# KiCad board SofleKeyboard_ref.kicad_pcb (continued)
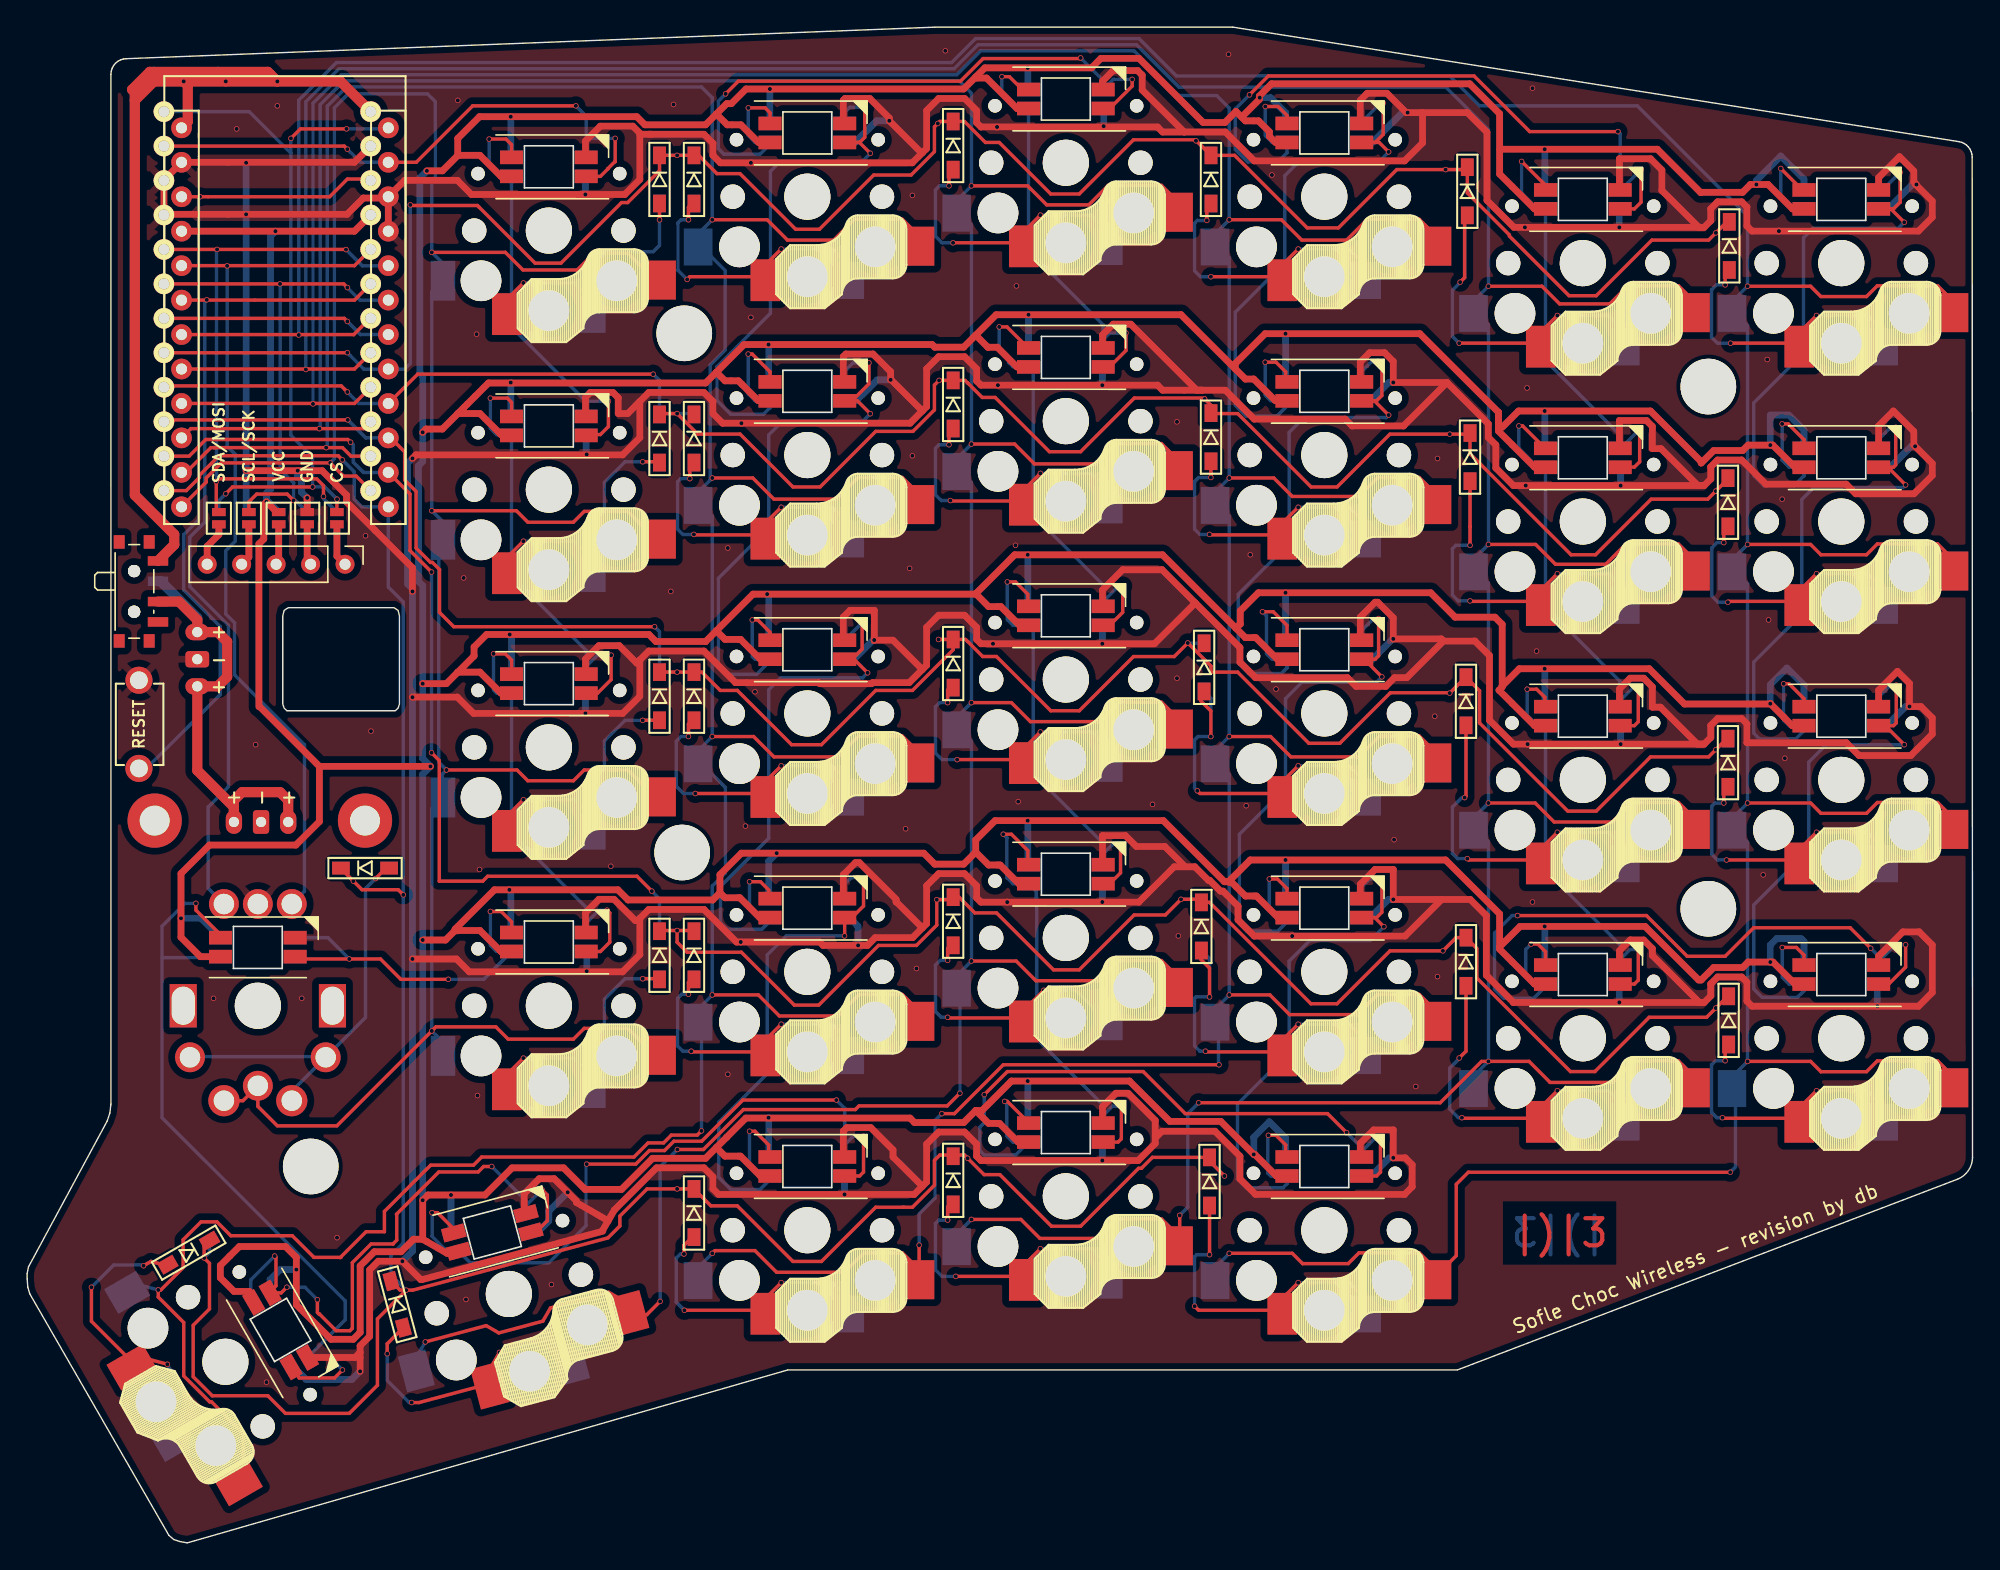
[diagram p0: board, top side]
## Routing (per net, layer and track width the routed paths; a pad name or vN(x,y) marks a point on that pad's centre or on a via; arc(x,y) is an arc through that point) (continued)
Net-(D25-Pad2): length 31
  Top w0.25: D25.2 26.45,49.75 v1(25.68,48.97)
  Bottom w0.25: 26.6,49.75 26.45,49.75 v1(25.68,48.97) 24.94,48.24 24.94,38.74 SW25.6 ; SW25.6 21.95,35.85 12.05,35.85 SW25.6 ; SW25.6 19.5,33.3 19.5,33.09
Net-(D26-Pad2): length 23.7
  Top w0.25: 10.14,20.48 9.13,20.75 v1(8.58,20.43) ; v1(10.33,13.17) 9,13.53 8.08,12.99 4.74,16.34 v1(4.74,18.85)
  Bottom w0.25: 10.14,20.48 9.13,20.75 v1(8.58,20.43) 8.52,20.49 6.38,20.49 v1(4.74,18.85) ; 10.88,8.14 11.89,8.73 12.21,9.92 v1(10.33,13.17)
Net-(D27-Pad2): length 24.1
  Top w0.25: v1(28.34,10.35) 28.34,10.34 28.88,10.34 34.4,11.82 34.12,12.85 v1(34.81,14.05) ; D27.2 26.54,14.68 v1(26.54,13.95)
  Bottom w0.25: 39.81,13.27 39.5,14.4 38.44,15.02 v1(34.81,14.05) ; v1(28.34,10.35) 28.16,10.35 26.54,11.97 v1(26.54,13.95) 26.54,14.68 D27.2
Net-(D28-Pad2): length 22.9
  Top w0.25: v1(48.44,17.15) 48.44,17.15 54.6,17.15 54.6,18.22 v1(55.57,19.19) ; 49.15,22.67 48.41,21.94 v1(48.41,21.3)
  Bottom w0.25: v1(55.57,19.19) 59.33,19.19 60.2,18.32 60.2,17.15 ; v1(48.44,17.15) 47.84,17.75 47.84,21 48.14,21.3 v1(48.41,21.3) 48.41,21.94 49.15,22.67
Net-(D29-Pad2): length 23.1
  Top w0.25: v1(67.84,23.8) 67.84,24.77 68.25,25.17 ; v1(74.67,21.69) 73.7,20.72 73.7,19.65 68.44,19.65 v1(68.44,19.65)
  Bottom w0.25: 79.3,19.65 79.3,20.82 78.43,21.69 v1(74.67,21.69) ; 68.25,25.17 67.84,24.77 v1(67.84,23.8) 67.19,23.8 66.94,23.55 66.94,20.13 67.42,19.65 v1(68.44,19.65)
Net-(D30-Pad2): length 27.4
  Top w0.25: v1(86.04,17.45) 86.34,17.15 92.7,17.15 ; v1(87.14,21.25) D30.2 ; v1(93.67,19.19) 92.8,18.31 92.8,17.15
  Bottom w0.25: 98.3,17.15 98.3,18.32 97.43,19.19 v1(93.67,19.19) ; D30.2 v1(87.14,21.25) 86.19,21.25 86.04,21.1 v1(86.04,17.45)
Net-(J3-Pad1): length 6.6
  Top w0.5: JP4.1 14.13,74.34 13.27,73.48 J3.1
  Bottom w0.5: J3.1 13.27,73.48 14.13,74.34 JP9.1
Net-(J3-Pad2): length 6.3
  Top w0.5: J3.2 16.34,72.68 JP3.1
  Bottom w0.5: JP3.1 16.34,72.68 J3.2
Net-(J3-Pad3): length 6.1
  Top w0.25: J3.3 18.54,72.34
  Top w0.5: 18.54,72.34 JP2.1
  Bottom w0.5: JP2.1 18.54,72.34 J3.3
Net-(J3-Pad4): length 6.1
  Top w0.25: J3.4 20.64,72.4
  Top w0.5: 20.64,72.4 JP1.1
  Bottom w0.5: J3.4 20.64,72.4 JP1.1
Net-(J3-Pad5): length 6.4
  Top w0.5: JP0.1 22.83,72.75 J3.5
  Bottom w0.5: JP0.1 22.83,72.75 J3.5
Net-(JST_BATT1-Pad2): length 35.8
  Top w0.75: JST_BATT1.2 19.24,54.75 18.64,55.35 15.84,55.35 15.24,54.75 JST_BATT1.2 15.24,54.25 12.54,56.95 JST_BATT2.2 14.04,63.15 14.74,63.85 14.74,66.45 14.04,67.15 JST_BATT2.2 12.54,68.05 11.19,69.4 SW_BATT+1.2
  Bottom w0.75: SW_BATT+2.2 9.84,70.9 12.54,68.2 JST_BATT2.2
Net-(SW1-Pad2): length 33.1
  Top w0.25: SW1.2 35.7,103.09 35.29,103.5 v1(34.05,103.5) ; v1(42.84,84.16) 42.84,82.3 42.25,81.71 41.15,81.71
  Bottom w0.25: SW7.4 41.2,84.14 35.7,89.64 SW1.2 34.84,100.75 34.05,101.54 v1(34.05,103.5) ; 41.15,83.11 41.15,83.96 41.36,84.16 v1(42.84,84.16)
Net-(SW2-Pad2): length 51.2
  Top w0.25: SW2.2 54.75,105.44 54.39,105.8 v1(53.15,105.8) ; v1(77.64,109.48) 77.59,109.43 70.45,109.43 68.78,107.76 52.41,107.76 v1(51.48,106.83) ; v1(81.44,107.9) 81.44,107.4 79.79,105.75 79.25,105.75
  Bottom w0.25: v1(51.48,106.83) 50.94,106.3 50.94,102.79 51.35,102.38 54.02,102.38 54.75,103.12 SW2.2 53.65,103.25 53.15,103.75 v1(53.15,105.8) ; v1(77.64,109.48) 79.3,107.82 SW3.4 80.05,107.9 v1(81.44,107.9)
Net-(SW2-Pad4): length 47.6
  Top w0.25: 54.75,85.6 54.75,86.34 53.44,87.65 v1(53.14,87.65) ; v1(61.73,105.84) 61.73,103.63 61.35,103.25 SW2.4 61.34,103.25 v1(62.14,102.45)
  Bottom w0.25: v1(61.73,105.84) 60.63,105.84 60.25,105.46 SW2.4 ; v1(53.14,87.65) 53.14,84.71 53.65,84.2 54.75,84.2 54.75,83.69 54.27,83.21 51.86,83.21 50.84,84.22 50.84,86.71 54.78,90.65 54.78,101.11 55.41,101.75 61.44,101.75 v1(62.14,102.45)
Net-(SW3-Pad2): length 31.9
  Top w0.25: 79.25,86.71 79.79,86.71 80.98,87.91 v1(80.98,89.2) ; 73.75,107.15 73.34,107.15 72.39,108.1 v1(71.84,108.1)
  Bottom w0.25: v1(71.84,108.1) 71.84,106.75 72.84,105.75 73.75,105.75 ; 79.25,88.11 79.25,88.66 79.79,89.2 v1(80.98,89.2) ; SW3.2 73.8,95.3 79.3,89.8 79.3,88.1
Net-(SW4-Pad2): length 56.2
  Top w0.25: SW4.2 92.85,105.24 92.19,105.9 v1(91.25,105.9) ; v1(117.24,104.05) 110.74,104.05 106.64,108.15 91.47,108.15 v1(90.08,106.76) ; 117.35,98.35 118.45,98.35 118.94,98.84 v1(118.94,101.25)
  Bottom w0.25: v1(91.25,105.9) 91.25,103.75 91.75,103.25 SW4.2 92.85,102.48 92.18,101.81 89.96,101.81 89.04,102.73 89.04,105.72 v1(90.08,106.76) ; v1(117.24,104.05) 117.4,103.89 SW5.4 ; v1(118.94,101.25) 117.44,99.75
Net-(SW10-Pad2): length 47.1
  Top w0.25: 98.25,103.25 99.35,103.25 99.94,103.84 v1(99.94,106.15) ; v1(91.24,87.05) 92.04,87.05 92.75,86.34 92.75,85.61 ; SW4.4 99.64,103.25 v1(100.34,102.55)
  Bottom w0.25: 98.25,104.65 99.75,106.15 v1(99.94,106.15) ; v1(100.34,102.55) 99.54,101.75 93.64,101.75 92.69,100.8 92.69,94.38 89.04,90.74 89.04,83.87 89.83,83.08 92.12,83.08 92.85,83.82 92.85,84.2 ; v1(91.24,87.05) 91.24,84.62 91.65,84.21 92.75,84.21
Net-(SW10-Pad4): length 48.3
  Top w0.25: v1(91.04,68.65) 91.84,68.65 92.85,67.64 SW16.2 ; v1(99.54,87.1) 99.84,86.8 99.84,84.59 99.45,84.2 98.35,84.2 99.29,84.2 v1(100.34,83.15)
  Bottom w0.25: v1(91.04,68.65) 91.34,68.35 91.34,65.56 91.75,65.15 SW16.2 92.85,64.51 92.43,64.09 90.02,64.09 89.26,64.86 89.26,69.94 93,73.68 93,81.87 94.09,82.96 100.16,82.96 v1(100.34,83.15) ; v1(99.54,87.1) 99.09,87.1 98.35,86.36 98.35,85.6
Net-(SW11-Pad2): length 33
  Top w0.25: v1(118.74,63.1) 118.74,60.54 118.45,60.25 117.35,60.25 ; v1(109.94,82.35) 110.22,82.35 111.85,80.71
  Bottom w0.25: 111.85,79.31 111.31,79.31 109.94,80.69 v1(109.94,82.35) ; SW11.2 111.9,69.01 117.4,63.51 SW17.4 ; v1(118.74,63.1) 118.39,63.1 117.35,62.06 117.35,61.65
Net-(SW11-Pad4): length 33.4
  Top w0.25: 117.35,79.31 118.45,79.31 118.84,79.7 v1(118.84,82.1) ; v1(110.14,101.85) 111.85,100.14 111.85,99.75
  Bottom w0.25: 111.85,98.35 111.31,98.35 110.14,99.52 v1(110.14,101.85) ; SW5.2 111.9,87.17 117.4,81.67 SW11.4 ; v1(118.84,82.1) 117.45,80.71 117.35,80.71
Net-(SW12-Pad2): length 47.5
  Top w0.25: v1(129.34,82.5) 129.79,82.5 130.95,81.34 130.95,80.71 ; v1(138.34,97.36) 137.35,98.35 SW6.4 137.55,98.35 138.04,98.84 v1(138.04,101.05)
  Bottom w0.25: 130.95,79.31 129.85,79.31 129.34,79.82 v1(129.34,82.5) ; SW6.4 136.74,99.75 v1(138.04,101.05) ; SW12.2 130.95,78.67 130.22,77.94 127.99,77.94 127.24,78.69 127.24,84.04 130.91,87.72 130.91,96.22 131.61,96.92 137.9,96.92 v1(138.34,97.36)
Net-(SW12-Pad4): length 47.1
  Top w0.25: 136.45,79.31 137.55,79.31 137.71,79.47 v1(137.71,82.25) ; SW18.2 130.95,62.24 129.85,63.34 v1(129.45,63.34) ; v1(138.44,78) 137.14,79.3 SW12.4
  Bottom w0.25: v1(138.44,78) 138.25,77.81 131.68,77.81 130.79,76.92 130.79,68.48 127.24,64.93 127.24,59.7 127.68,59.27 130.34,59.27 130.95,59.88 SW18.2 129.85,60.25 129.45,60.65 v1(129.45,63.34) ; v1(137.71,82.25) 137.34,82.25 136.45,81.36 136.45,80.71
Net-(SW13-Pad2): length 33.8
  Top w0.25: v1(42.74,46.65) 42.94,46.45 42.94,44.29 42.25,43.6 41.15,43.6 ; SW13.2 35.7,65.09 35.24,65.55 v1(34.37,65.55)
  Bottom w0.25: v1(42.74,46.65) 42.14,46.65 41.15,45.66 41.15,45 ; SW19.4 41.2,46.85 35.7,52.35 SW13.2 34.6,62.65 34.37,62.88 v1(34.37,65.55)
Net-(SW13-Pad4): length 33.4
  Top w0.25: v1(34.14,84.4) 35.39,84.4 35.7,84.09 35.7,83.11 ; v1(43.04,65.45) 43.04,63.65 42.04,62.65 41.15,62.65
  Bottom w0.25: SW13.4 41.21,64.06 41.21,65.78 35.7,71.3 SW7.2 ; v1(34.14,84.4) 34.14,82.17 34.6,81.71 35.7,81.71 ; 41.15,64.05 41.15,64.56 42.04,65.45 v1(43.04,65.45)
Net-(SW14-Pad2): length 46.5
  Top w0.25: v1(53.44,68.05) 53.84,68.05 54.75,67.14 SW14.2 ; v1(62.04,87) 62.04,85.45 60.79,84.2 60.25,84.2 61.19,84.2 v1(62.14,83.25)
  Bottom w0.25: v1(62.14,83.25) 61.59,82.7 55.67,82.7 54.65,81.68 54.65,74.83 50.94,71.12 50.94,64.82 51.73,64.03 53.76,64.03 54.75,65.02 SW14.2 53.65,65.15 53.44,65.36 v1(53.44,68.05) ; v1(62.04,87) 60.86,87 60.25,86.38 60.25,85.6
Net-(SW14-Pad4): length 44.5
  Top w0.25: v1(61.94,64.15) 60.94,65.15 SW14.4 60.79,65.15 61.54,65.9 v1(61.54,68.05) ; v1(53.24,48.75) 54.04,48.75 54.65,48.14 54.65,47.5
  Bottom w0.25: SW14.4 61.54,67.84 v1(61.54,68.05) ; 54.65,46.1 54.11,46.1 53.24,46.97 v1(53.24,48.75) ; SW20.2 54.75,45.84 54.14,45.23 51.6,45.23 51.09,45.74 51.09,48.39 54.65,51.95 54.65,62.89 55.54,63.78 61.57,63.78 v1(61.94,64.15)
Net-(SW15-Pad2): length 33.3
  Top w0.25: 73.75,69.05 73.75,69.94 72.84,70.85 v1(72.24,70.85) ; v1(80.58,51.5) 80.58,49.39 79.79,48.6 79.25,48.6
  Bottom w0.25: v1(72.24,70.85) 72.24,68.06 72.65,67.65 73.75,67.65 ; SW15.2 74.14,67.3 74.14,56.73 79.3,51.57 SW21.4 ; 79.25,50 79.25,50.76 79.99,51.5 v1(80.58,51.5)
Net-(SW15-Pad4): length 33.2
  Top w0.25: 73.75,88.11 72.22,89.65 v1(71.64,89.65) ; 79.25,67.65 79.79,67.65 80.74,68.6 v1(80.74,70.55)
  Bottom w0.25: SW15.4 79.3,70.62 74.14,75.78 74.14,86.35 73.8,86.7 ; v1(71.64,89.65) 71.64,88.15 72.34,87.45 72.34,87.02 72.65,86.71 73.75,86.71 ; v1(80.74,70.55) 80.44,70.55 79.25,69.36 79.25,69.05
Net-(SW16-Pad4): length 44.7
  Top w0.25: SW22.2 92.85,48.24 92.14,48.95 v1(91.55,48.95) ; v1(99.84,63.85) 98.54,65.15 SW16.4 ; 98.25,65.15 99.35,65.15 99.6,65.4 v1(99.6,68.15)
  Bottom w0.25: 98.25,66.55 98.25,67.16 99.24,68.15 v1(99.6,68.15) ; v1(91.55,48.95) 91.55,46.87 92.31,46.1 SW22.2 92.85,45.78 92.18,45.11 89.89,45.11 89.34,45.66 89.34,52.24 92.74,55.64 92.74,62.24 93.95,63.45 99.44,63.45 v1(99.84,63.85)
Net-(SW17-Pad2): length 31.6
  Top w0.25: v1(110.55,62.94) 111.25,62.94 111.85,62.34 111.85,61.65 ; v1(118.74,43.75) 118.74,41.49 118.45,41.2 117.35,41.2
  Bottom w0.25: SW23.4 117.4,44.08 111.9,49.58 SW17.2 ; 111.85,60.25 111.31,60.25 110.54,61.02 110.54,62.93 v1(110.55,62.94) ; 117.35,42.6 117.35,42.96 118.14,43.75 v1(118.74,43.75)
Net-(SW18-Pad4): length 46.2
  Top w0.25: SW24.2 130.95,43.34 130.39,43.9 v1(129.35,43.9) ; v1(138.34,58.85) 136.94,60.25 SW18.4 137.55,60.25 137.75,60.45 v1(137.75,63.24)
  Bottom w0.25: v1(138.34,58.85) 132.59,58.85 131.29,57.55 131.29,51.08 127.24,47.02 127.24,40.84 127.87,40.22 130.47,40.22 130.95,40.7 SW24.2 129.85,41.2 129.35,41.69 129.35,43.89 v1(129.35,43.9) ; SW18.4 136.45,62.36 137.33,63.24 v1(137.75,63.24)
Net-(SW19-Pad2): length 29
  Top w0.25: v1(31.04,41.55) 27.54,41.55 26.04,43.05 v1(23.74,43.05) 19.92,43.05 SW25.4 ; SW19.2 35.7,45.79 34.94,46.55 v1(34.14,46.55)
  Bottom w0.25: SW25.4 22.17,44.62 v1(23.74,43.05) ; v1(31.04,41.55) 33.65,41.55 SW19.2 34.6,43.6 34.14,44.06 v1(34.14,46.55)
Net-(SW20-Pad4): length 42.9
  Top w0.25: v1(60.24,44.75) 60.25,44.76 SW20.4 ; v1(61.24,49.05) 61.64,48.65 61.64,46.95 60.79,46.1 ; 54.65,28.45 54.65,29.34 53.64,30.35 v1(53.24,30.35)
  Bottom w0.25: SW20.4 60.25,48.56 60.74,49.05 v1(61.24,49.05) ; 54.75,27.05 54.75,26.79 54.02,26.06 51.86,26.06 50.97,26.95 50.97,31.01 54.54,34.58 54.54,43.35 55.94,44.75 v1(60.24,44.75) ; 54.65,27.05 54.11,27.05 53.24,27.92 v1(53.24,30.35)
Net-(SW21-Pad2): length 34.4
  Top w0.25: 79.3,29.55 80.4,29.55 80.64,29.79 v1(80.64,32.2) ; 73.75,50 73.75,51.04 72.54,52.25 v1(71.94,52.25)
  Bottom w0.25: SW21.2 74.36,48.03 74.36,47.59 74.4,47.56 74.4,37.17 79.3,32.27 SW29.4 79.3,31.51 79.99,32.2 v1(80.64,32.2) ; 73.75,48.6 72.65,48.6 72.2,49.04 72.2,51.98 v1(71.94,52.25)
Net-(SW22-Pad4): length 45.6
  Top w0.25: v1(99.84,48.95) 99.84,46.49 99.45,46.1 SW22.4 99.31,46.1 v1(99.99,45.42) ; 92.75,28.45 92.75,29.34 92.04,30.05 v1(91.48,30.05)
  Bottom w0.25: v1(99.84,48.95) 98.94,48.95 98.35,48.36 SW22.4 ; v1(99.99,45.42) 98.97,44.41 94.53,44.41 93,42.88 93,36.15 89.19,32.34 89.19,26.82 89.83,26.18 92.56,26.18 92.85,26.47 92.85,27.05 ; 92.75,27.05 91.65,27.05 91.44,27.26 91.44,30.01 v1(91.48,30.05)
Net-(SW23-Pad2): length 54.6
  Top w0.25: v1(138.44,44.1) 138.44,42.45 137.19,41.2 SW24.4 ; v1(135.87,43.84) 134.36,45.35 127.24,45.35 125.14,43.25 122.34,43.25 119.34,46.25 v1(109.84,46.25) ; v1(110.84,44.15) 111.34,44.15 111.9,43.59 SW23.2
  Bottom w0.25: v1(135.87,43.84) 136.45,43.25 SW24.4 136.45,42.86 137.69,44.1 v1(138.44,44.1) ; v1(109.84,46.25) 109.44,46.25 108.14,44.95 108.14,40.83 108.82,40.15 111.04,40.15 111.9,41.02 SW23.2 111.09,41.2 110.44,41.85 110.44,43.75 v1(110.84,44.15)
Net-(SW25-Pad2): length 56.9
  Top w0.25: 19.5,13.11 20.05,12.16 22.65,12.16 v1(23.24,12.75) ; v1(12.44,47.15) 12.44,46.65 14.25,44.83 SW25.2
  Bottom w0.25: SW26.4 23.44,16.45 23.44,17.85 9.94,31.35 9.94,45.46 11.63,47.15 v1(12.44,47.15) ; 9.94,43.15 14.18,43.15 SW25.2 ; 20.71,13.81 22.18,13.81 v1(23.24,12.75)
Net-(SW26-Pad2): length 45
  Top w0.25: 17.96,18.57 18.34,18.95 18.34,21.05 v1(18.24,21.15) ; v1(37.94,26.05) 38.34,25.65 38.34,23.75 37.56,22.97 37.13,22.97 ; v1(34.24,27.75) 33.64,27.75 33.24,27.35 30.34,27.35 27.21,24.22 ; SW26.2 18.72,18.43 v1(19.14,18.85) ; 27.24,24.25 27.24,22.32 26.97,22.05 26.97,22.04 25.35,22.04 23.97,20.66 23.97,15.82 23.79,15.64 22.77,15.64 21.54,16.88 21.5,16.88 21.39,16.99 v1(21.39,17.93)
  Bottom w0.25: v1(37.94,26.05) 36.63,24.74 36.63,24.33 ; v1(19.14,18.85) 20.47,18.85 v1(21.39,17.93) ; 16.75,17.87 16.48,18.34 16.48,19.39 v1(18.24,21.15) ; v1(34.24,27.75) 36.76,25.23 SW27.4
Net-(SW27-Pad2): length 53.2
  Top w0.25: 60.25,27.05 61.35,27.05 61.64,27.34 v1(61.64,29.97) ; v1(41.24,27.92) 44.85,27.92 45.86,28.93 46.98,28.93 47.67,29.61 49.71,29.61 52.75,32.65 v1(59.64,32.65) ; 31.32,22.9 31.32,23.26 30.24,24.35 v1(29.84,24.35)
  Bottom w0.25: v1(29.84,24.35) 29.84,22.61 30.9,21.55 31.68,21.55 ; v1(41.24,27.92) 41.19,27.87 41.19,23.39 38.45,20.65 32.66,20.65 SW27.2 ; v1(59.64,32.65) 60.25,32.04 SW28.4 60.25,29.36 60.86,29.97 v1(61.64,29.97)
Net-(SW29-Pad2): length 52.8
  Top w0.25: v1(97.24,30.25) 95.84,31.65 85.35,31.65 82.25,34.75 72.24,34.75 v1(70.54,33.05) ; 73.75,30.95 73.75,31.04 72.24,32.55 v1(72.04,32.55) ; v1(99.74,29.8) 99.74,27.34 99.45,27.05 98.35,27.05
  Bottom w0.25: v1(97.24,30.25) 98.35,29.14 SW30.4 98.35,28.86 99.29,29.8 v1(99.74,29.8) ; 73.75,29.55 72.65,29.55 72.2,29.99 72.2,32.38 v1(72.04,32.55) ; 73.8,29.55 72.85,28.6 70.53,28.6 70.21,28.91 70.21,30.64 70.54,30.97 v1(70.54,33.05)
Net-(SW_BATT+1-Pad1): length 133.3
  Top w0.75: 7.94,103.35 7.94,106.35 ; 7.94,106.35 7.94,106.95 7.74,107.15 9.04,108.45 17.74,108.45 17.94,108.25 ; 7.94,106.35 9.34,107.75 ; v1(18.44,107.75) v1(14.64,107.75) v1(11.54,107.75) ; v1(18.44,107.75) 17.94,108.25 ; v1(18.44,107.75) 23.09,107.75 U1.24 ; 9.34,107.75 9.84,108.25 17.94,108.25 ; 9.34,107.75 v1(11.54,107.75) ; 7.94,103.25 7.94,77.25 10.84,74.35 10.84,73.59 SW_BATT+1.1 ; v1(11.54,107.75) 11.84,107.45 11.84,104.78 U1.24
  Bottom w0.75: 14.04,108.45 14.64,107.85 v1(14.64,107.75) ; 14.04,108.45 17.74,108.45 v1(18.44,107.75) ; 14.04,108.45 9.34,108.45 ; 7.94,106.35 7.94,106.95 7.74,107.15 9.04,108.45 9.34,108.45 ; 7.94,106.35 7.94,77.25 10.84,74.35 10.84,73.59 SW_BATT+1.1 ; 7.94,106.35 9.34,107.75 ; 9.34,108.45 9.34,107.75 ; v1(11.54,107.75) 9.34,107.75
unconnected-(SW6-Pad2): length 6.6
  Top w0.25: v1(129.24,101.33) 130.82,99.75 SW6.2
  Bottom w0.25: v1(129.24,101.33) 129.24,99.15 130.04,98.35 SW6.2
unconnected-(U1-Pad7): length 17
  Top w0.25: v1(23.6,90.05) 23.37,90.28 U1.7
  Bottom w0.25: U1.7 24.57,89.08 v1(23.6,90.05)

## Copper pours and planes (outline as drawn; the poured copper is in the pictures)
GND on Top: 142.84,103.75 143.64,102.45 144.54,26.95 105.34,12.05 56.34,12.15 10.84,-0.75 -0.86,20.05 5.54,32.35 5.54,109.05 6.64,110.15 66.34,112.35 88.74,112.45
GND on Bottom: 142.84,103.75 143.64,102.45 144.54,26.95 105.34,12.05 56.34,12.15 10.84,-0.75 -0.86,20.05 5.54,32.35 5.54,109.05 6.64,110.15 66.34,112.35 88.74,112.45

## Text on the board
Bottom: |)|3
B.Silkscreen: CS | GND | VCC | SCL/SCK | SDA/MOSI | Sofle Choc Wireless - revision by db | + | -
User.Eco1: s25 | s26 | s27 | s1 | s7 | s13 | s19 | s2 | s14 | s20 | s28 | s8 | s21 | s3 | s15 | s9 | s29 | s16 | s22 | s30 | s4 | s10 | s11 | s5 | s17 | s23 | s12 | s6 | s18 | s24
Top: |)|3
F.Silkscreen: SDA/MOSI | SCL/SCK | VCC | GND | CS | Sofle Choc Wireless - revision by db | + | -
